# KiCad board retroslop.kicad_pcb
rev: A
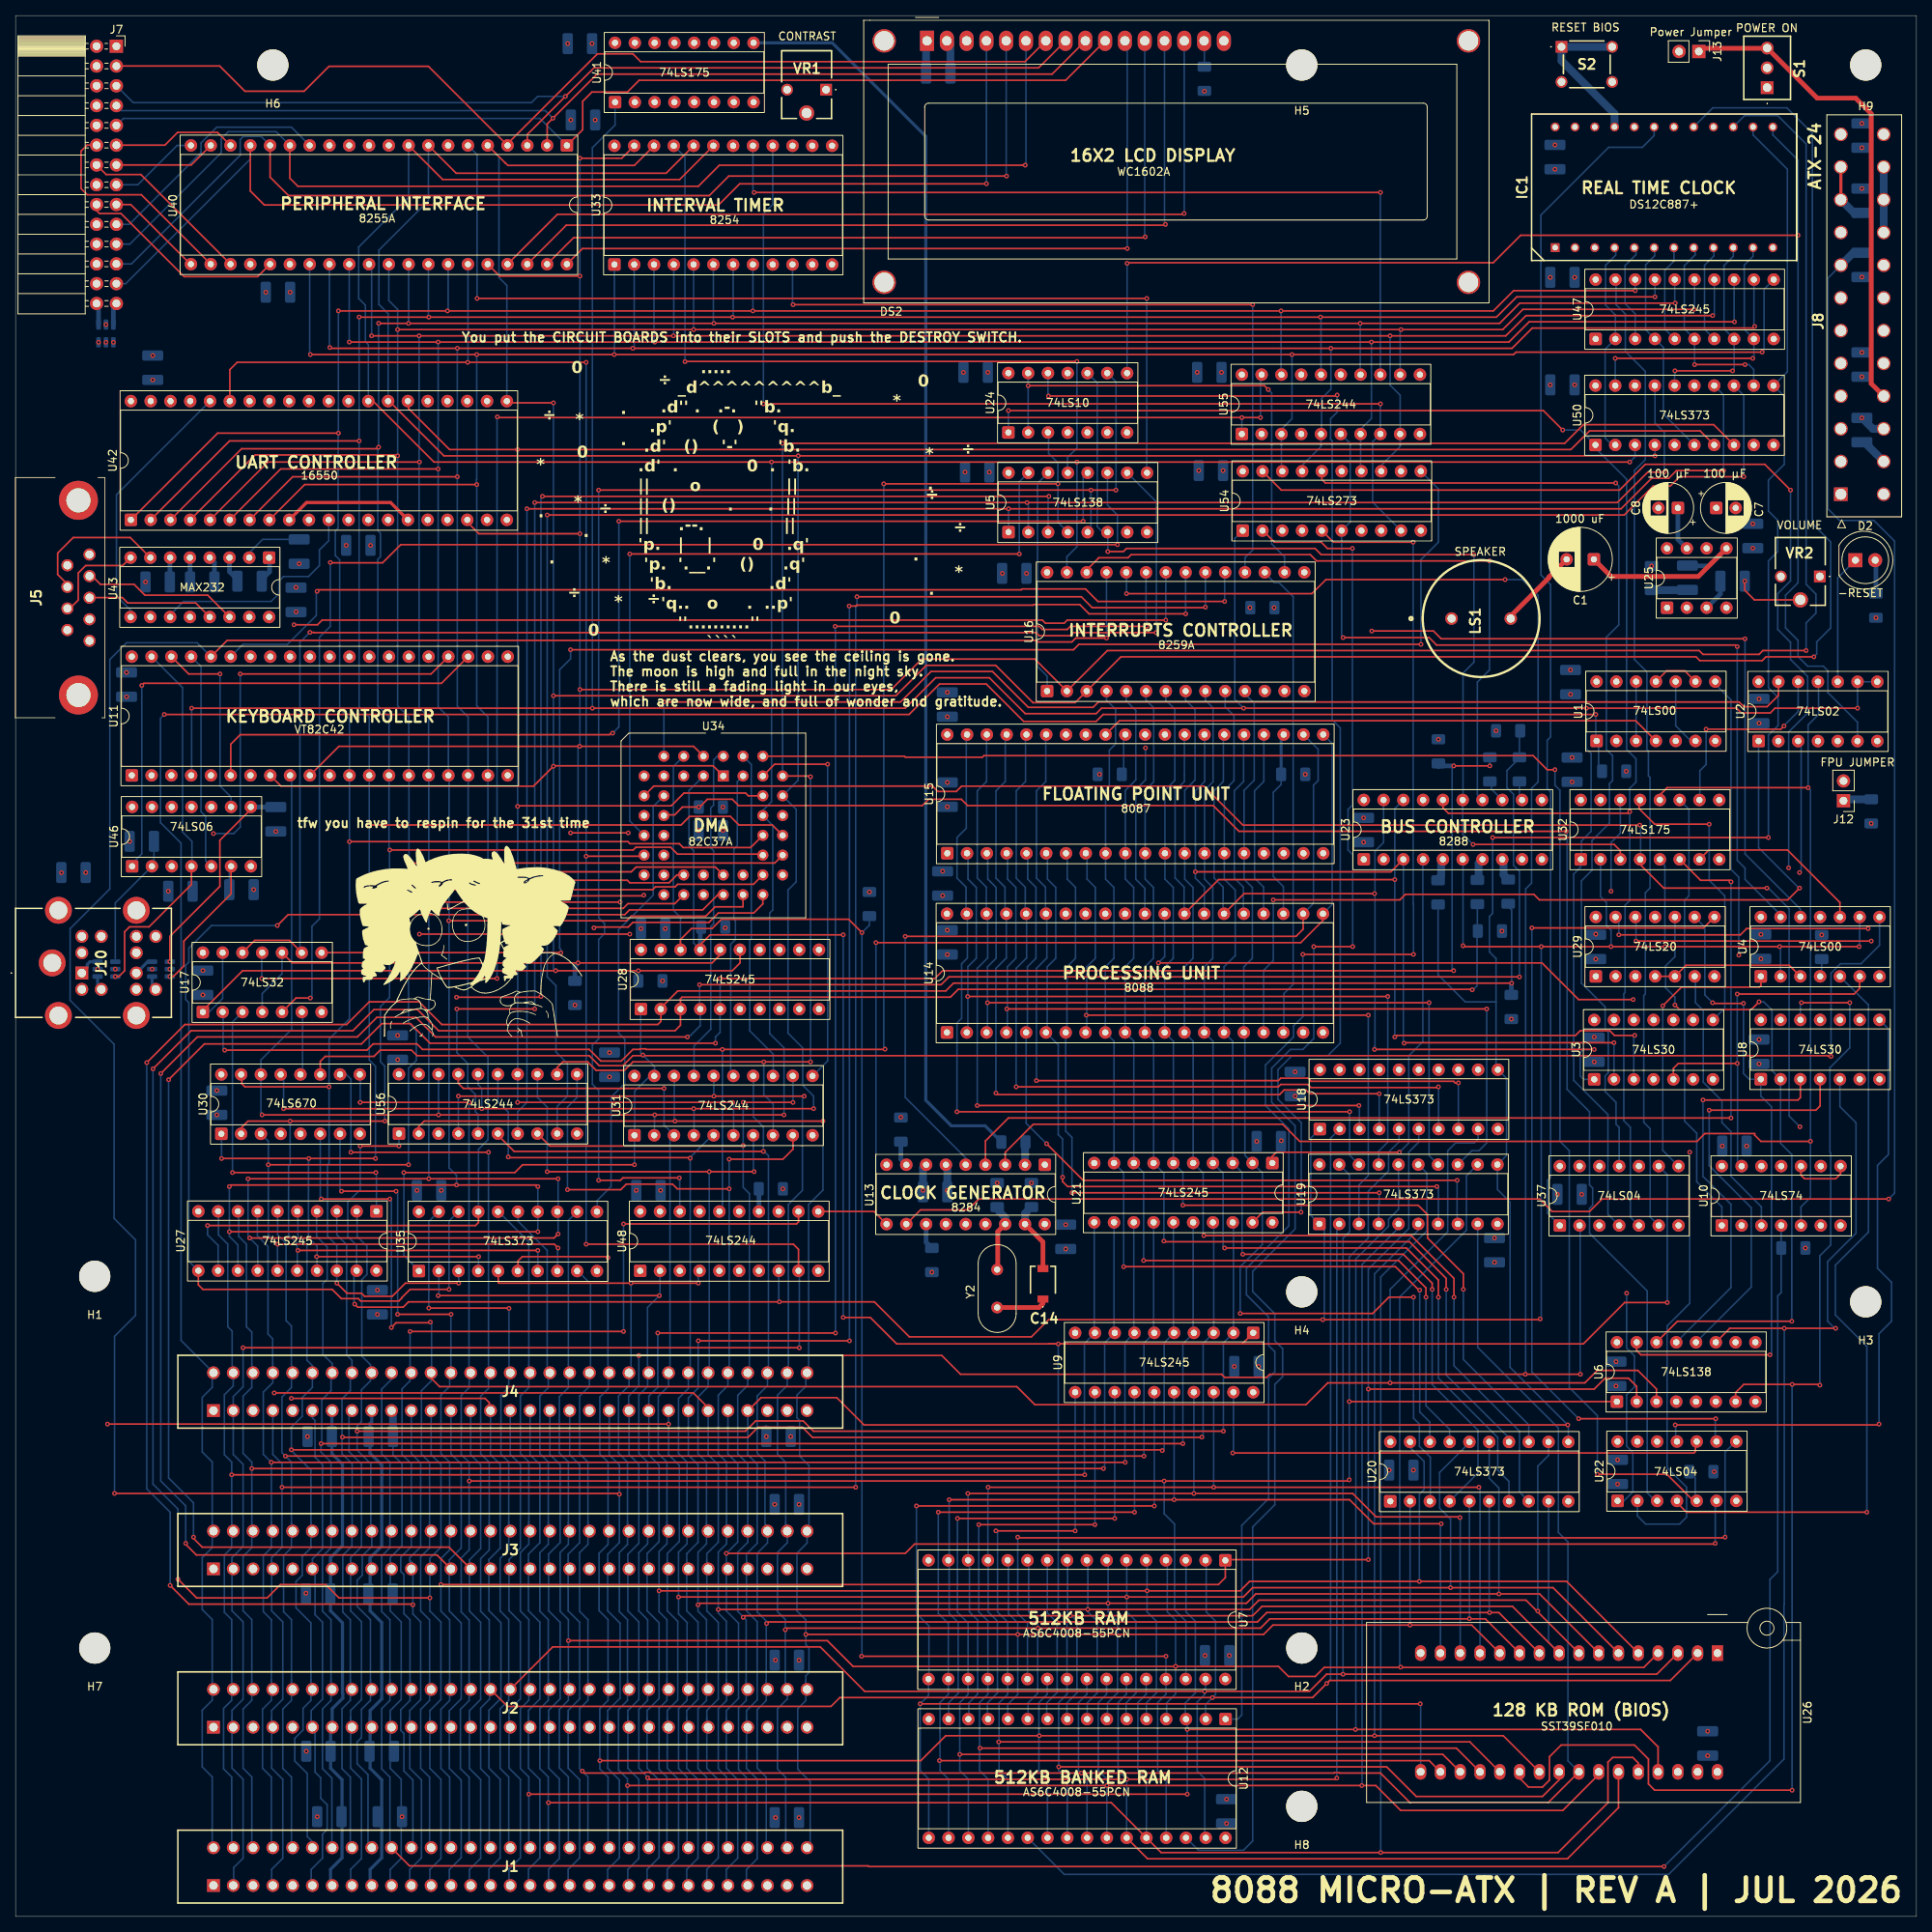
[diagram p0: board, top side]
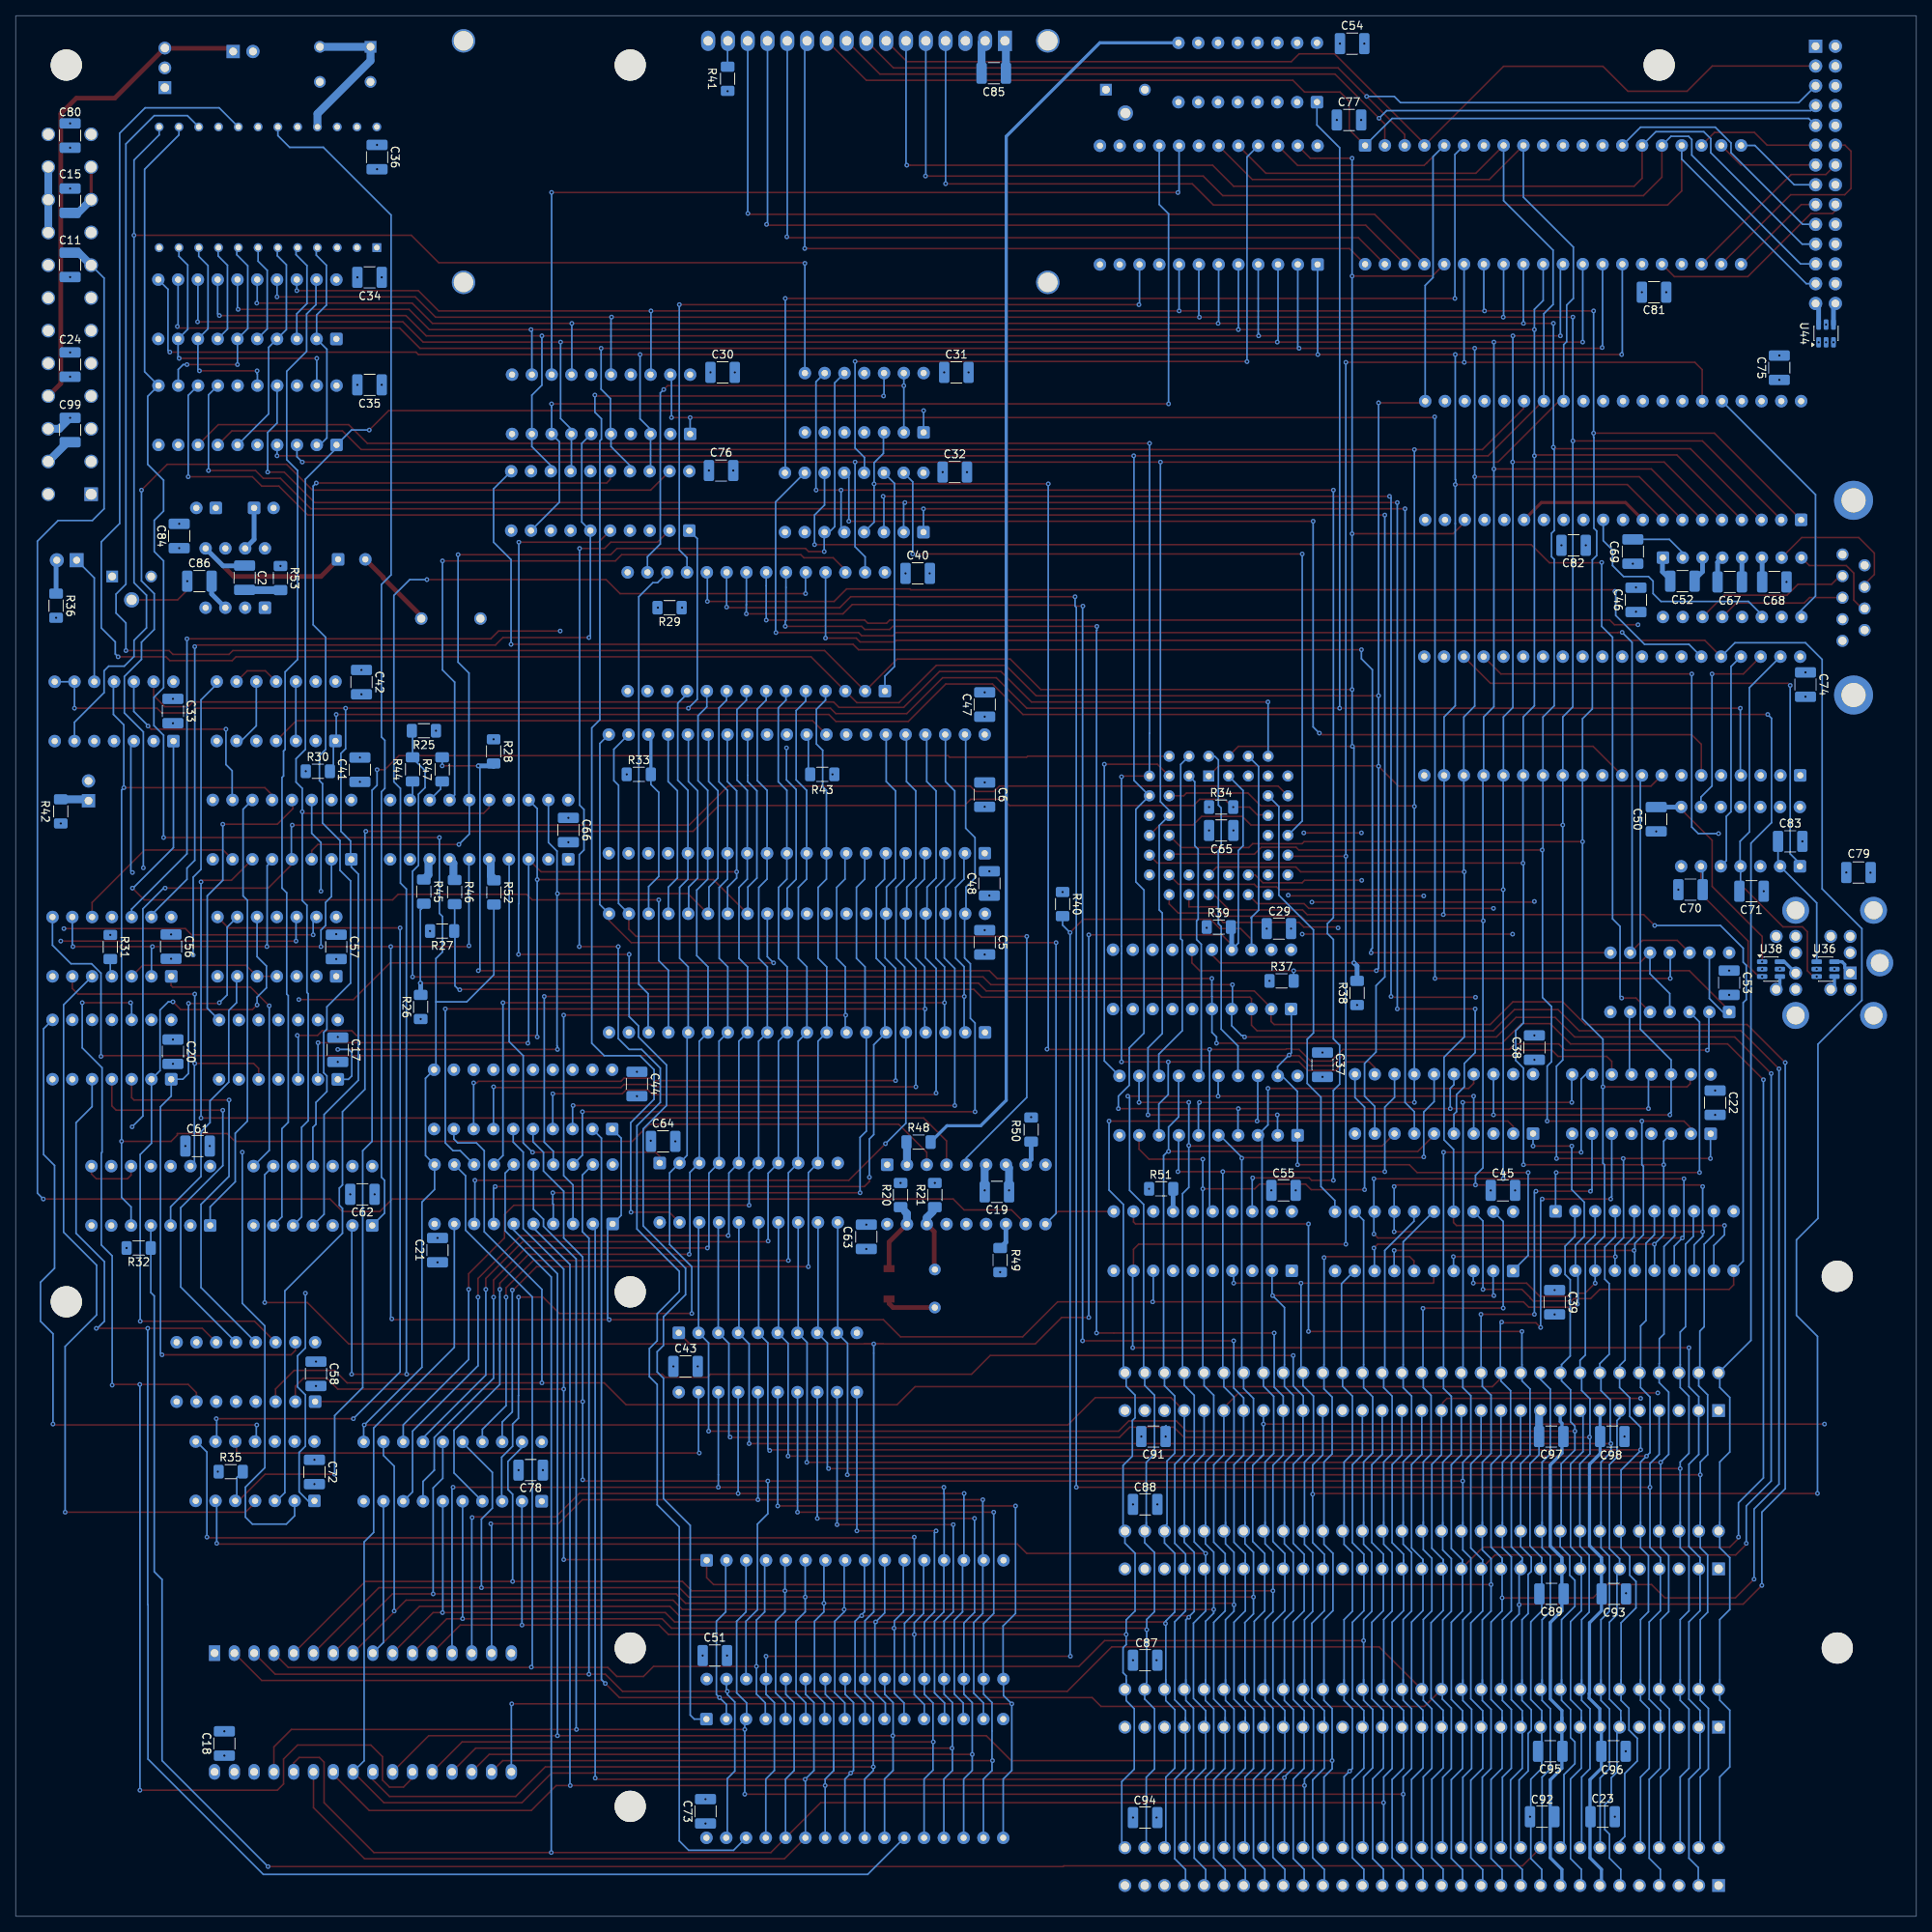
[diagram p1: board, bottom side, seen from below]

Outline 244 x 244 mm; copper layers: Top, In1.Cu (plane), In2.Cu (plane), In3.Cu, In4.Cu (plane), Bottom. Coordinates in mm from the lower left corner of the outline.
Outline path: rectangle 0,244 244,0
Stack: Top 0.035mm / dielectric 0.0918mm FR4 er 4.5 / In1.Cu 0.0152mm / dielectric 0.55mm FR4 er 4.5 / In2.Cu 0.0152mm / dielectric 0.0936mm FR4 er 4.5 / In3.Cu 0.0152mm / dielectric 0.55mm FR4 er 4.5 / In4.Cu 0.0152mm / dielectric 0.0918mm FR4 er 4.5 / Bottom 0.035mm

## Placement (name value [footprint] x y rotation side)
C1  1000 uF  [CP_Radial_D8.0mm_P3.50mm]  202.6 174.2 180 top
C2  47 nF  [C_1210_3225Metric_Pad1.33x2.70mm_HandSolder]  214.6 171.84 270 bottom
C5  47nF  [C_1210_3225Metric_Pad1.33x2.70mm_HandSolder]  119.6 125.04 270 bottom
C6  47nF  [C_1210_3225Metric_Pad1.33x2.70mm_HandSolder]  119.6 144 270 bottom
C7  100 μF  [CP_Radial_D6.3mm_P2.50mm]  218.3 180.8 0 top
C8  100 μF  [CP_Radial_D6.3mm_P2.50mm]  213.38 180.8 180 top
C11  10 uF  [C_1210_3225Metric_Pad1.33x2.70mm_HandSolder]  237 212 270 bottom
C14  -  [JZ300]  131.88 81.2 90 top
C15  10 uF  [C_1210_3225Metric_Pad1.33x2.70mm_HandSolder]  237 220.24 90 bottom
C17  0.1 μF  [C_1210_3225Metric_Pad1.33x2.70mm_HandSolder]  202.64 111.25 270 bottom
C18  0.1 μF  [C_1210_3225Metric_Pad1.33x2.70mm_HandSolder]  217.2 22.2 90 bottom
C19  0.1 μF  [C_1210_3225Metric_Pad1.33x2.70mm_HandSolder]  118.04 93 0 bottom
C20  0.1 μF  [C_1210_3225Metric_Pad1.33x2.70mm_HandSolder]  223.8 111 270 bottom
C21  0.1 μF  [C_1210_3225Metric_Pad1.33x2.70mm_HandSolder]  189.84 85.53 90 bottom
C22  0.1 μF  [C_1210_3225Metric_Pad1.33x2.70mm_HandSolder]  25.84 104.45 270 bottom
C23  10 uF  [C_1210_3225Metric_Pad1.33x2.70mm_HandSolder]  40.28 12.8 180 bottom
C24  10 uF  [C_1210_3225Metric_Pad1.33x2.70mm_HandSolder]  237 199.2 90 bottom
C29  0.1 μF  [C_1210_3225Metric_Pad1.33x2.70mm_HandSolder]  81.84 126.8 0 bottom
C30  0.1 μF  [C_1210_3225Metric_Pad1.33x2.70mm_HandSolder]  153.24 198.2 180 bottom
C31  0.1 μF  [C_1210_3225Metric_Pad1.33x2.70mm_HandSolder]  123.24 198.2 180 bottom
C32  0.1 μF  [C_1210_3225Metric_Pad1.33x2.70mm_HandSolder]  123.44 185.4 180 bottom
C33  0.1 μF  [C_1210_3225Metric_Pad1.33x2.70mm_HandSolder]  223.8 154.73 270 bottom
C34  0.1 μF  [C_1210_3225Metric_Pad1.33x2.70mm_HandSolder]  198.56 210.4 180 bottom
C35  0.1 μF  [C_1210_3225Metric_Pad1.33x2.70mm_HandSolder]  198.56 196.6 180 bottom
C36  0.1 μF  [C_1210_3225Metric_Pad1.33x2.70mm_HandSolder]  197.6 225.84 270 bottom
C37  0.1 μF  [C_1210_3225Metric_Pad1.33x2.70mm_HandSolder]  76.24 109.33 90 bottom
C38  0.1 μF  [C_1210_3225Metric_Pad1.33x2.70mm_HandSolder]  49.04 111.53 90 bottom
C39  0.1 μF  [C_1210_3225Metric_Pad1.33x2.70mm_HandSolder]  46.44 78.84 270 bottom
C40  0.1 μF  [C_1210_3225Metric_Pad1.33x2.70mm_HandSolder]  128.2 172.4 180 bottom
C41  0.1 μF  [C_1210_3225Metric_Pad1.33x2.70mm_HandSolder]  199.8 147.2 90 bottom
C42  0.1 μF  [C_1210_3225Metric_Pad1.33x2.70mm_HandSolder]  199.6 158.44 270 bottom
C43  0.1 μF  [C_1210_3225Metric_Pad1.33x2.70mm_HandSolder]  158 70.6 180 bottom
C44  0.1 μF  [C_1210_3225Metric_Pad1.33x2.70mm_HandSolder]  164.24 106.85 270 bottom
C45  0.1 μF  [C_1210_3225Metric_Pad1.33x2.70mm_HandSolder]  53.08 93.2 0 bottom
C46  0.1 μF  [C_1210_3225Metric_Pad1.33x2.70mm_HandSolder]  36 169 90 bottom
C47  0.1 μF  [C_1210_3225Metric_Pad1.33x2.70mm_HandSolder]  119.6 155.56 90 bottom
C48  0.1 μF  [C_1210_3225Metric_Pad1.33x2.70mm_HandSolder]  119 132.6 90 bottom
C50  47 pF  [C_1210_3225Metric_Pad1.33x2.70mm_HandSolder]  33.4 140.84 270 bottom
C51  0.1 μF  [C_1210_3225Metric_Pad1.33x2.70mm_HandSolder]  154.24 33.49 180 bottom
C52  1 μF  [C_1210_3225Metric_Pad1.33x2.70mm_HandSolder]  30.04 171.4 180 bottom
C53  0.1 μF  [C_1210_3225Metric_Pad1.33x2.70mm_HandSolder]  24.04 119.85 270 bottom
C54  0.1 μF  [C_1210_3225Metric_Pad1.33x2.70mm_HandSolder]  72.44 240.4 180 bottom
C55  0.1 μF  [C_1210_3225Metric_Pad1.33x2.70mm_HandSolder]  81.24 93.2 0 bottom
C56  0.1 μF  [C_1210_3225Metric_Pad1.33x2.70mm_HandSolder]  224.04 124.49 270 bottom
C57  0.1 μF  [C_1210_3225Metric_Pad1.33x2.70mm_HandSolder]  202.84 124.45 270 bottom
C58  0.1 μF  [C_1210_3225Metric_Pad1.33x2.70mm_HandSolder]  205.44 69.65 270 bottom
C61  0.1 μF  [C_1210_3225Metric_Pad1.33x2.70mm_HandSolder]  220.64 98.89 0 bottom
C62  0.1 μF  [C_1210_3225Metric_Pad1.33x2.70mm_HandSolder]  199.48 92.69 0 bottom
C63  0.1 μF  [C_1210_3225Metric_Pad1.33x2.70mm_HandSolder]  134.8 87.24 270 bottom
C64  0.1 μF  [C_1210_3225Metric_Pad1.33x2.70mm_HandSolder]  160.88 99.49 180 bottom
C65  0.1 μF  [C_1210_3225Metric_Pad1.33x2.70mm_HandSolder]  89.24 139.4 180 bottom
C66  0.1 μF  [C_1210_3225Metric_Pad1.33x2.70mm_HandSolder]  173.04 139.45 270 bottom
C67  1 μF  [C_1210_3225Metric_Pad1.33x2.70mm_HandSolder]  23.96 171.3 180 bottom
C68  1 μF  [C_1210_3225Metric_Pad1.33x2.70mm_HandSolder]  18.24 171.3 180 bottom
C69  1 μF  [C_1210_3225Metric_Pad1.33x2.70mm_HandSolder]  36.4 175.2 270 bottom
C70  47 pF  [C_1210_3225Metric_Pad1.33x2.70mm_HandSolder]  29 131.8 0 bottom
C71  47 pF  [C_1210_3225Metric_Pad1.33x2.70mm_HandSolder]  21.16 131.6 180 bottom
C72  0.1 μF  [C_1210_3225Metric_Pad1.33x2.70mm_HandSolder]  205.64 57.05 270 bottom
C73  0.1 μF  [C_1210_3225Metric_Pad1.33x2.70mm_HandSolder]  155.44 13.49 90 bottom
C74  0.1 μF  [C_1210_3225Metric_Pad1.33x2.70mm_HandSolder]  14.24 158.13 270 bottom
C75  0.1 μF  [C_1210_3225Metric_Pad1.33x2.70mm_HandSolder]  17.6 198.8 90 bottom
C76  0.1 μF  [C_1210_3225Metric_Pad1.33x2.70mm_HandSolder]  153.44 185.6 180 bottom
C77  0.1 μF  [C_1210_3225Metric_Pad1.33x2.70mm_HandSolder]  72.84 230.6 180 bottom
C78  0.1 μF  [C_1210_3225Metric_Pad1.33x2.70mm_HandSolder]  177.88 57.29 0 bottom
C79  0.1 μF  [C_1210_3225Metric_Pad1.33x2.70mm_HandSolder]  7.44 134 180 bottom
C80  0.1 μF  [C_1210_3225Metric_Pad1.33x2.70mm_HandSolder]  237 228.6 90 bottom
C81  0.1 μF  [C_1210_3225Metric_Pad1.33x2.70mm_HandSolder]  33.68 208.49 180 bottom
C82  0.1 μF  [C_1210_3225Metric_Pad1.33x2.70mm_HandSolder]  44 176 180 bottom
C83  47 pF  [C_1210_3225Metric_Pad1.33x2.70mm_HandSolder]  16.2 138 180 bottom
C84  0.1 μF  [C_1210_3225Metric_Pad1.33x2.70mm_HandSolder]  223 177.2 90 bottom
C85  0.1 μF  [C_1210_3225Metric_Pad1.33x2.70mm_HandSolder]  118.44 236.6 180 bottom
C86  1 μF  [C_1210_3225Metric_Pad1.33x2.70mm_HandSolder]  220.4 171.4 180 bottom
C87  10 μF  [C_1210_3225Metric_Pad1.33x2.70mm_HandSolder]  99 32.89 0 bottom
C88  10 μF  [C_1210_3225Metric_Pad1.33x2.70mm_HandSolder]  99 52.89 0 bottom
C89  10 μF  [C_1210_3225Metric_Pad1.33x2.70mm_HandSolder]  46.84 41.4 0 bottom
C91  10 μF  [C_1210_3225Metric_Pad1.33x2.70mm_HandSolder]  97.94 61.6 0 bottom
C92  10 μF  [C_1210_3225Metric_Pad1.33x2.70mm_HandSolder]  48.04 12.8 0 bottom
C93  10 μF  [C_1210_3225Metric_Pad1.33x2.70mm_HandSolder]  38.84 41.4 180 bottom
C94  10 μF  [C_1210_3225Metric_Pad1.33x2.70mm_HandSolder]  99 12.69 0 bottom
C95  10 μF  [C_1210_3225Metric_Pad1.33x2.70mm_HandSolder]  47 21.2 0 bottom
C96  10 μF  [C_1210_3225Metric_Pad1.33x2.70mm_HandSolder]  38.88 21.2 180 bottom
C97  10 μF  [C_1210_3225Metric_Pad1.33x2.70mm_HandSolder]  46.88 61.6 0 bottom
C98  10 μF  [C_1210_3225Metric_Pad1.33x2.70mm_HandSolder]  39.04 61.6 180 bottom
C99  10 μF  [C_1210_3225Metric_Pad1.33x2.70mm_HandSolder]  237 190.8 90 bottom
D2  LED  [LED_D5.0mm_Clear]  236.17 174.09 0 top
DS2  -  [WC1602A]  117 240.76 0 top
H1  MountingHole  [MountingHole_4mm]  10.16 82.17 180 top
H2  MountingHole  [MountingHole_4mm]  165.1 34.45 180 top
H3  MountingHole  [MountingHole_4mm]  237.49 78.9 180 top
H4  MountingHole  [MountingHole_4mm]  165.1 80.17 180 top
H5  MountingHole  [MountingHole_4mm]  165.1 237.65 180 top
H6  MountingHole  [MountingHole_4mm]  33.02 237.65 180 top
H7  MountingHole  [MountingHole_4mm]  10.16 34.45 180 top
H8  MountingHole  [MountingHole_4mm]  165.1 14.13 180 top
H9  MountingHole  [MountingHole_4mm]  237.49 237.65 180 top
IC1  DS12C887+  [DIP1550W53P254L3378H1042Q24N]  211.6 221.96 90 top
J1  Bus_ISA_8bit  [655308435]  25.4 8.82 0 top
J2  Bus_ISA_8bit  [655308435]  25.4 29.14 0 top
J3  Bus_ISA_8bit  [655308435]  25.4 49.46 0 top
J4  Bus_ISA_8bit  [655308435]  25.4 69.78 0 top
J5  DE9_Socket  [L717SDE09PA4CH4RC309]  9.49 174.82 270 top
J7  Conn_02x14_Odd_Even  [PinSocket_2x14_P2.54mm_Horizontal]  12.94 240.06 0 top
J8  ATX-24  [39-28-1243]  239.8 228.76 270 top
J10  KMDGX-6SG_P-S4N  [KMDGX6SGPS4N]  8.5 121.1 90 top
J12  FPU JUMPER  [PinHeader_1x02_P2.54mm_Vertical]  234.64 143.22 180 top
J13  Power Jumper  [PinHeader_1x02_P2.54mm_Vertical]  216.07 239.39 270 top
LS1  -  [CVS-1508]  188.13 166.6 90 top
R20  510 Ω  [R_1206_3216Metric_Pad1.30x1.75mm_HandSolder]  130.4 92.6 90 bottom
R21  510 Ω  [R_1206_3216Metric_Pad1.30x1.75mm_HandSolder]  126 92.6 90 bottom
R25  4.7k Ω  [R_1206_3216Metric_Pad1.30x1.75mm_HandSolder]  191.59 152.2 0 bottom
R26  4.7k Ω  [R_1206_3216Metric_Pad1.30x1.75mm_HandSolder]  192 116.74 90 bottom
R27  4.7k Ω  [R_1206_3216Metric_Pad1.30x1.75mm_HandSolder]  189.25 126.49 180 bottom
R28  4.7k Ω  [R_1206_3216Metric_Pad1.30x1.75mm_HandSolder]  182.64 149.55 270 bottom
R29  4.7k Ω  [R_1206_3216Metric_Pad1.30x1.75mm_HandSolder]  160.05 168 0 bottom
R30  4.7k Ω  [R_1206_3216Metric_Pad1.30x1.75mm_HandSolder]  205.2 147 180 bottom
R31  4.7k Ω  [R_1206_3216Metric_Pad1.30x1.75mm_HandSolder]  231.84 124.44 270 bottom
R32  4.7k Ω  [R_1206_3216Metric_Pad1.30x1.75mm_HandSolder]  228.2 85.8 180 bottom
R33  4.7k Ω  [R_1206_3216Metric_Pad1.30x1.75mm_HandSolder]  164 146.6 180 bottom
R34  4.7k Ω  [R_1206_3216Metric_Pad1.30x1.75mm_HandSolder]  89.25 142.4 180 bottom
R35  4.7k Ω  [R_1206_3216Metric_Pad1.30x1.75mm_HandSolder]  216.39 57.09 180 bottom
R36  220 Ω  [R_1206_3216Metric_Pad1.30x1.75mm_HandSolder]  238.8 168.25 270 bottom
R37  4.7k Ω  [R_1206_3216Metric_Pad1.30x1.75mm_HandSolder]  81.49 120.09 180 bottom
R38  4.7k Ω  [R_1206_3216Metric_Pad1.30x1.75mm_HandSolder]  71.8 118.54 90 bottom
R39  4.7k Ω  [R_1206_3216Metric_Pad1.30x1.75mm_HandSolder]  89.55 127 180 bottom
R40  4.7k Ω  [R_1206_3216Metric_Pad1.30x1.75mm_HandSolder]  109.6 129.95 270 bottom
R41  330 Ω  [R_1206_3216Metric_Pad1.30x1.75mm_HandSolder]  152.6 235.89 90 bottom
R42  4.7k Ω  [R_1206_3216Metric_Pad1.30x1.75mm_HandSolder]  238.2 141.85 90 bottom
R43  4.7k Ω  [R_1206_3216Metric_Pad1.30x1.75mm_HandSolder]  140.45 146.6 0 bottom
R44  33 Ω  [R_1206_3216Metric_Pad1.30x1.75mm_HandSolder]  193.04 147.24 90 bottom
R45  33 Ω  [R_1206_3216Metric_Pad1.30x1.75mm_HandSolder]  191.6 131.55 270 bottom
R46  33 Ω  [R_1206_3216Metric_Pad1.30x1.75mm_HandSolder]  187.64 131.49 270 bottom
R47  33 Ω  [R_1206_3216Metric_Pad1.30x1.75mm_HandSolder]  189.24 147.24 90 bottom
R48  33 Ω  [R_1206_3216Metric_Pad1.30x1.75mm_HandSolder]  128.09 99.4 180 bottom
R49  33 Ω  [R_1206_3216Metric_Pad1.30x1.75mm_HandSolder]  117.62 84.25 270 bottom
R50  33 Ω  [R_1206_3216Metric_Pad1.30x1.75mm_HandSolder]  113.64 101 90 bottom
R51  33 Ω  [R_1206_3216Metric_Pad1.30x1.75mm_HandSolder]  96.95 93.4 0 bottom
R52  33 Ω  [R_1206_3216Metric_Pad1.30x1.75mm_HandSolder]  182.6 131.45 270 bottom
R53  10 Ω  [R_1206_3216Metric_Pad1.30x1.75mm_HandSolder]  210 171.8 90 bottom
S1  Power Switch  [1080041EVX]  224.84 234.75 0 top
S2  TS02-66-50-BK-260-SCR-D  [TS026650BK260SCRD]  198.44 239.99 0 top
U1  74LS00  [DIP-14_W7.62mm_Socket]  202.94 150.89 90 top
U2  74LS02  [DIP-14_W7.62mm_Socket]  223.74 150.87 90 top
U3  74LS30  [DIP-14_W7.62mm_Socket]  202.64 107.45 90 top
U4  74LS00  [DIP-14_W7.62mm_Socket]  224.02 120.67 90 top
U5  74LS138  [DIP-16_W7.62mm_Socket]  127.46 177.69 90 top
U6  74LS138  [DIP-16_W7.62mm_Socket]  205.55 66.08 90 top
U7  AS6C4008-55PCN  [DIP-32_W15.24mm_Socket]  155.29 45.71 270 top
U8  74LS30  [DIP-14_W7.62mm_Socket]  224.02 107.47 90 top
U9  74LS245  [DIP-20_W7.62mm_Socket]  158.87 74.91 270 top
U10  74LS74  [DIP-14_W7.62mm_Socket]  219.02 88.69 90 top
U11  VT82C42  [DIP-40_W15.24mm_Socket]  14.91 146.47 90 top
U12  AS6C4008-55PCN  [DIP-32_W15.24mm_Socket]  155.32 25.33 270 top
U13  8284  [DIP-18_W7.62mm_Socket]  132.12 96.49 270 top
U14  8088_Max_Mode  [DIP-40_W15.24mm_Socket]  119.56 113.47 90 top
U15  8087  [DIP-40_W15.24mm_Socket]  119.59 136.47 90 top
U16  8259A  [DIP-28_W15.24mm_Socket]  132.41 157.29 90 top
U17  74LS32  [DIP-14_W7.62mm_Socket]  24.04 116.09 90 top
U18  74LS373  [DIP-20_W7.62mm_Socket]  167.42 101.07 90 top
U19  74LS373  [DIP-20_W7.62mm_Socket]  167.36 88.89 90 top
U20  74LS373  [DIP-20_W7.62mm_Socket]  176.46 53.29 90 top
U21  74LS245  [DIP-20_W7.62mm_Socket]  161.32 96.71 270 top
U22  74LS04  [DIP-14_W7.62mm_Socket]  205.64 53.34 90 top
U23  8288  [DIP-20_W7.62mm_Socket]  173.06 135.69 90 top
U24  74LS10  [DIP-14_W7.62mm_Socket]  127.44 190.49 90 top
U25  LM386  [DIP-8_W7.62mm_Socket]  211.99 167.99 90 top
U26  SST39SF010  [DIP_Socket-32_W11.9mm_W12.7mm_W15.24mm_W17.78mm_W18.5mm_3M_232-1285-00-0602J]  218.46 33.8 270 top
U27  74LS245  [DIP-20_W7.62mm_Socket]  46.32 90.51 270 top
U28  74LS245  [DIP-20_W7.62mm_Socket]  80.27 116.47 90 top
U29  74LS20  [DIP-14_W7.62mm_Socket]  202.84 120.68 90 top
U30  74LS670  [DIP-16_W7.62mm_Socket]  26.41 100.46 90 top
U31  74LS244  [DIP-20_W7.62mm_Socket]  79.44 100.27 90 top
U32  74LS175  [DIP-16_W7.62mm_Socket]  200.91 135.69 90 top
U33  8254  [DIP-24_W15.24mm_Socket]  76.87 212.05 90 top
U34  82C37A  [PLCC-44_THT-Socket]  90.84 146.39 0 top
U35  74LS373  [DIP-20_W7.62mm_Socket]  51.77 82.84 90 top
U36  USBLC6-2SC6  [SOT-23-6]  11.66 121.6 180 bottom
U37  74LS04  [DIP-14_W7.62mm_Socket]  198.22 88.69 90 top
U38  USBLC6-2SC6  [SOT-23-6]  18.66 121.6 180 bottom
U40  8255A  [DIP-40_W15.24mm_Socket]  70.77 227.33 270 top
U41  74LS175  [DIP-16_W7.62mm_Socket]  76.95 232.88 90 top
U42  16550  [DIP-40_W15.24mm_Socket]  14.8 179.27 90 top
U43  MAX232  [DIP-16_W7.62mm_Socket]  32.54 174.42 270 top
U44  USBLC6-2SC6  [SOT-23-6]  11.6 203.2 90 bottom
U46  74LS06  [DIP-14_W7.62mm_Socket]  14.96 134.8 90 top
U47  74LS245  [DIP-20_W7.62mm_Socket]  202.82 202.49 90 top
U48  74LS244  [DIP-20_W7.62mm_Socket]  80.18 82.87 90 top
U50  74LS373  [DIP-20_W7.62mm_Socket]  202.8 188.88 90 top
U54  74LS273  [DIP-20_W7.62mm_Socket]  157.52 177.89 90 top
U55  74LS244  [DIP-20_W7.62mm_Socket]  157.41 190.29 90 top
U56  74LS244  [DIP-20_W7.62mm_Socket]  49.21 100.49 90 top
VR1  N6L30T3N-103-3030  [N6L30T3N1033030]  104.04 234.49 180 top
VR2  N6L30T3N-103-3030  [N6L30T3N1033030]  231.6 172 180 top
Y2  14.318 MHz  [Crystal_HC49-4H_Vertical]  126 83.04 270 top

## Library data of the parts
C1 C7 C8 = -: Description: Polarized capacitor, US symbol; KiLib_Generator: capacitor/THT/other; ki_fp_filters: CP_*
C2 C5 C6 C11 C15 C17-C24 C29-C48 C50-C58 C61-C89 C91-C99 = -: Description: Unpolarized capacitor; KiLib_Generator: SMD_2terminal_chip_molded; ki_fp_filters: C_*
C14 = -: Datasheet: https://pl.mouser.com/datasheet/2/218/knowles_12132018_J_Series_Trim-1510080.pdf; Description: 5.5 ~ 30pF Trimmer Capacitor 125 V Top Surface Mount, -40C ~ 85C; Height: 1.651; Mouser Part Number: 768-JZ300; Manufacturer_Name: Knowles
D2 = -: Description: Light emitting diode; KiLib_Generator: LED/THT; Sim.Pins: 1=K 2=A; ki_fp_filters: LED* LED_SMD:* LED_THT:*
DS2 = -: Datasheet: https://radioled.com/image/catalog/pdf/WC1602A_WCM.pdf; Description: LCD 16x2 Alphanumeric , 8 bit parallel bus, 5V VDD; ki_fp_filters: *WC*1602A*
H1-H9 = -: Description: Mounting Hole without connection; KiLib_Generator: mounting_hardware/mounting_hole; ki_fp_filters: MountingHole*
IC1 = -: Datasheet: https://www.analog.com/media/en/technical-documentation/data-sheets/DS12885-DS12C887A.pdf; Description: Real Time Clock Real-Time Clocks; Height: 10.42; Mouser Part Number: 700-DS12C887; Mouser Price/Stock: https://www.mouser.co.uk/ProductDetail/Maxim-Integrated/DS12C887%2b?qs=1eQvB6Dk1vg6K7lv6ecmzA%3D%3D; Manufacturer_Name: Analog Devices
J1-J4 = -: Datasheet: https://en.wikipedia.org/wiki/Industry_Standard_Architecture; Description: 8-bit ISA-PC bus connector
J5 = -: Description: 9-pin D-SUB connector, socket (female); ki_fp_filters: DSUB*Socket*
J7 = -: Description: Generic connector, double row, 02x14, odd/even pin numbering scheme (row 1 odd numbers, row 2 even numbers), script generated (kicad-library-utils/schlib/autogen/connector/); KiLib_Generator: connector/pin_header_socket; ki_fp_filters: Connector*:*_2x??_*
J8 = -: Datasheet: https://www.intel.com/content/dam/www/public/us/en/documents/guides/power-supply-design-guide-june.pdf#page=33; Description: ATX Power supply 24pins; ki_fp_filters: *Mini?Fit*2x12*Vertical* *Mini?Fit*2x12*Horizontal*
J10 = -: Datasheet: http://www.kycon.com/Pub_Eng_Draw/KMDGX-6SG-P-S4N.pdf; Description: Circular DIN Connectors 6P/6P PC99 GRN/PURPL STACKED GOLD PLATED; Height: 28.55; Mouser Part Number: 806-KMDGX-6SGP-S4N; Mouser Price/Stock: https://www.mouser.co.uk/ProductDetail/Kycon/KMDGX-6SG-P-S4N?qs=wzaPhkLM3Q5CI9SGP7X58Q%3D%3D; Manufacturer_Name: Kycon; Manufacturer_Part_Number: KMDGX-6SG/P-S4N
J12 J13 = -: Description: Generic connector, single row, 01x02, script generated; KiLib_Generator: connector/pin_header_socket; ki_fp_filters: Connector*:*_1x??_*
LS1 = -: Datasheet: https://www.sameskydevices.com/product/resource/cvs-1508.pdf; Description: 15 mm, Round Frame, 0.3 W, 8 Ohm, Neodymium Magnet, PET Cone, Speaker; Mouser Part Number: 490-CVS-1508; Mouser Price/Stock: https://www.mouser.co.uk/ProductDetail/CUI-Devices/CVS-1508?qs=WyjlAZoYn51yYutSxchnhg%3D%3D; Manufacturer_Name: Same Sky
R20 R21 R25-R53 = -: Description: Resistor; KiLib_Generator: SMD_2terminal_chip_molded; ki_fp_filters: R_*
S1 = -: Datasheet: https://www.mouser.ph/ProductDetail/Mountain-Switch/108-0041-EVX?qs=JSctRxd7NmELVnxwUPKhxw%3D%3D&srsltid=AfmBOooG-WByZtiLQc2iIQYw7aYdi9YRDnI-cYRk5lzZEgijYTlomfoo; Description: Toggle Switches SPST OFF-ON ,,; Height: 23.63; Mouser Part Number: 108-0041-EVX; Mouser Price/Stock: https://www.mouser.co.uk/ProductDetail/Mountain-Switch/108-0041-EVX?qs=JSctRxd7NmELVnxwUPKhxw%3D%3D; Manufacturer_Name: Mountain Switch; Manufacturer_Part_Number: 108-0041-EVX
S2 = -: Datasheet: https://www.sameskydevices.com/product/resource/ts02.pdf; Description: 6 x 6 mm, 5 mm Actuator Height Off PCB, 260 gf, Black, Short Crimped, Through Hole, SPST, Tactile Switch; Height: 5.2; Mouser Part Number: 179-TS026650BK260SCR; Mouser Price/Stock: https://www.mouser.co.uk/ProductDetail/CUI-Devices/TS02-66-50-BK-260-SCR-D?qs=A6eO%252BMLsxmQtNldP04biKA%3D%3D; Manufacturer_Name: Same Sky
U1 U4 = -: Datasheet: http://www.ti.com/lit/gpn/sn74ls00; Description: quad 2-input NAND gate; KiLib_Generator: package/DIP/legacy; ki_fp_filters: DIP*W7.62mm* SO14*